# KiCad board Panel2.kicad_pcb (continued)
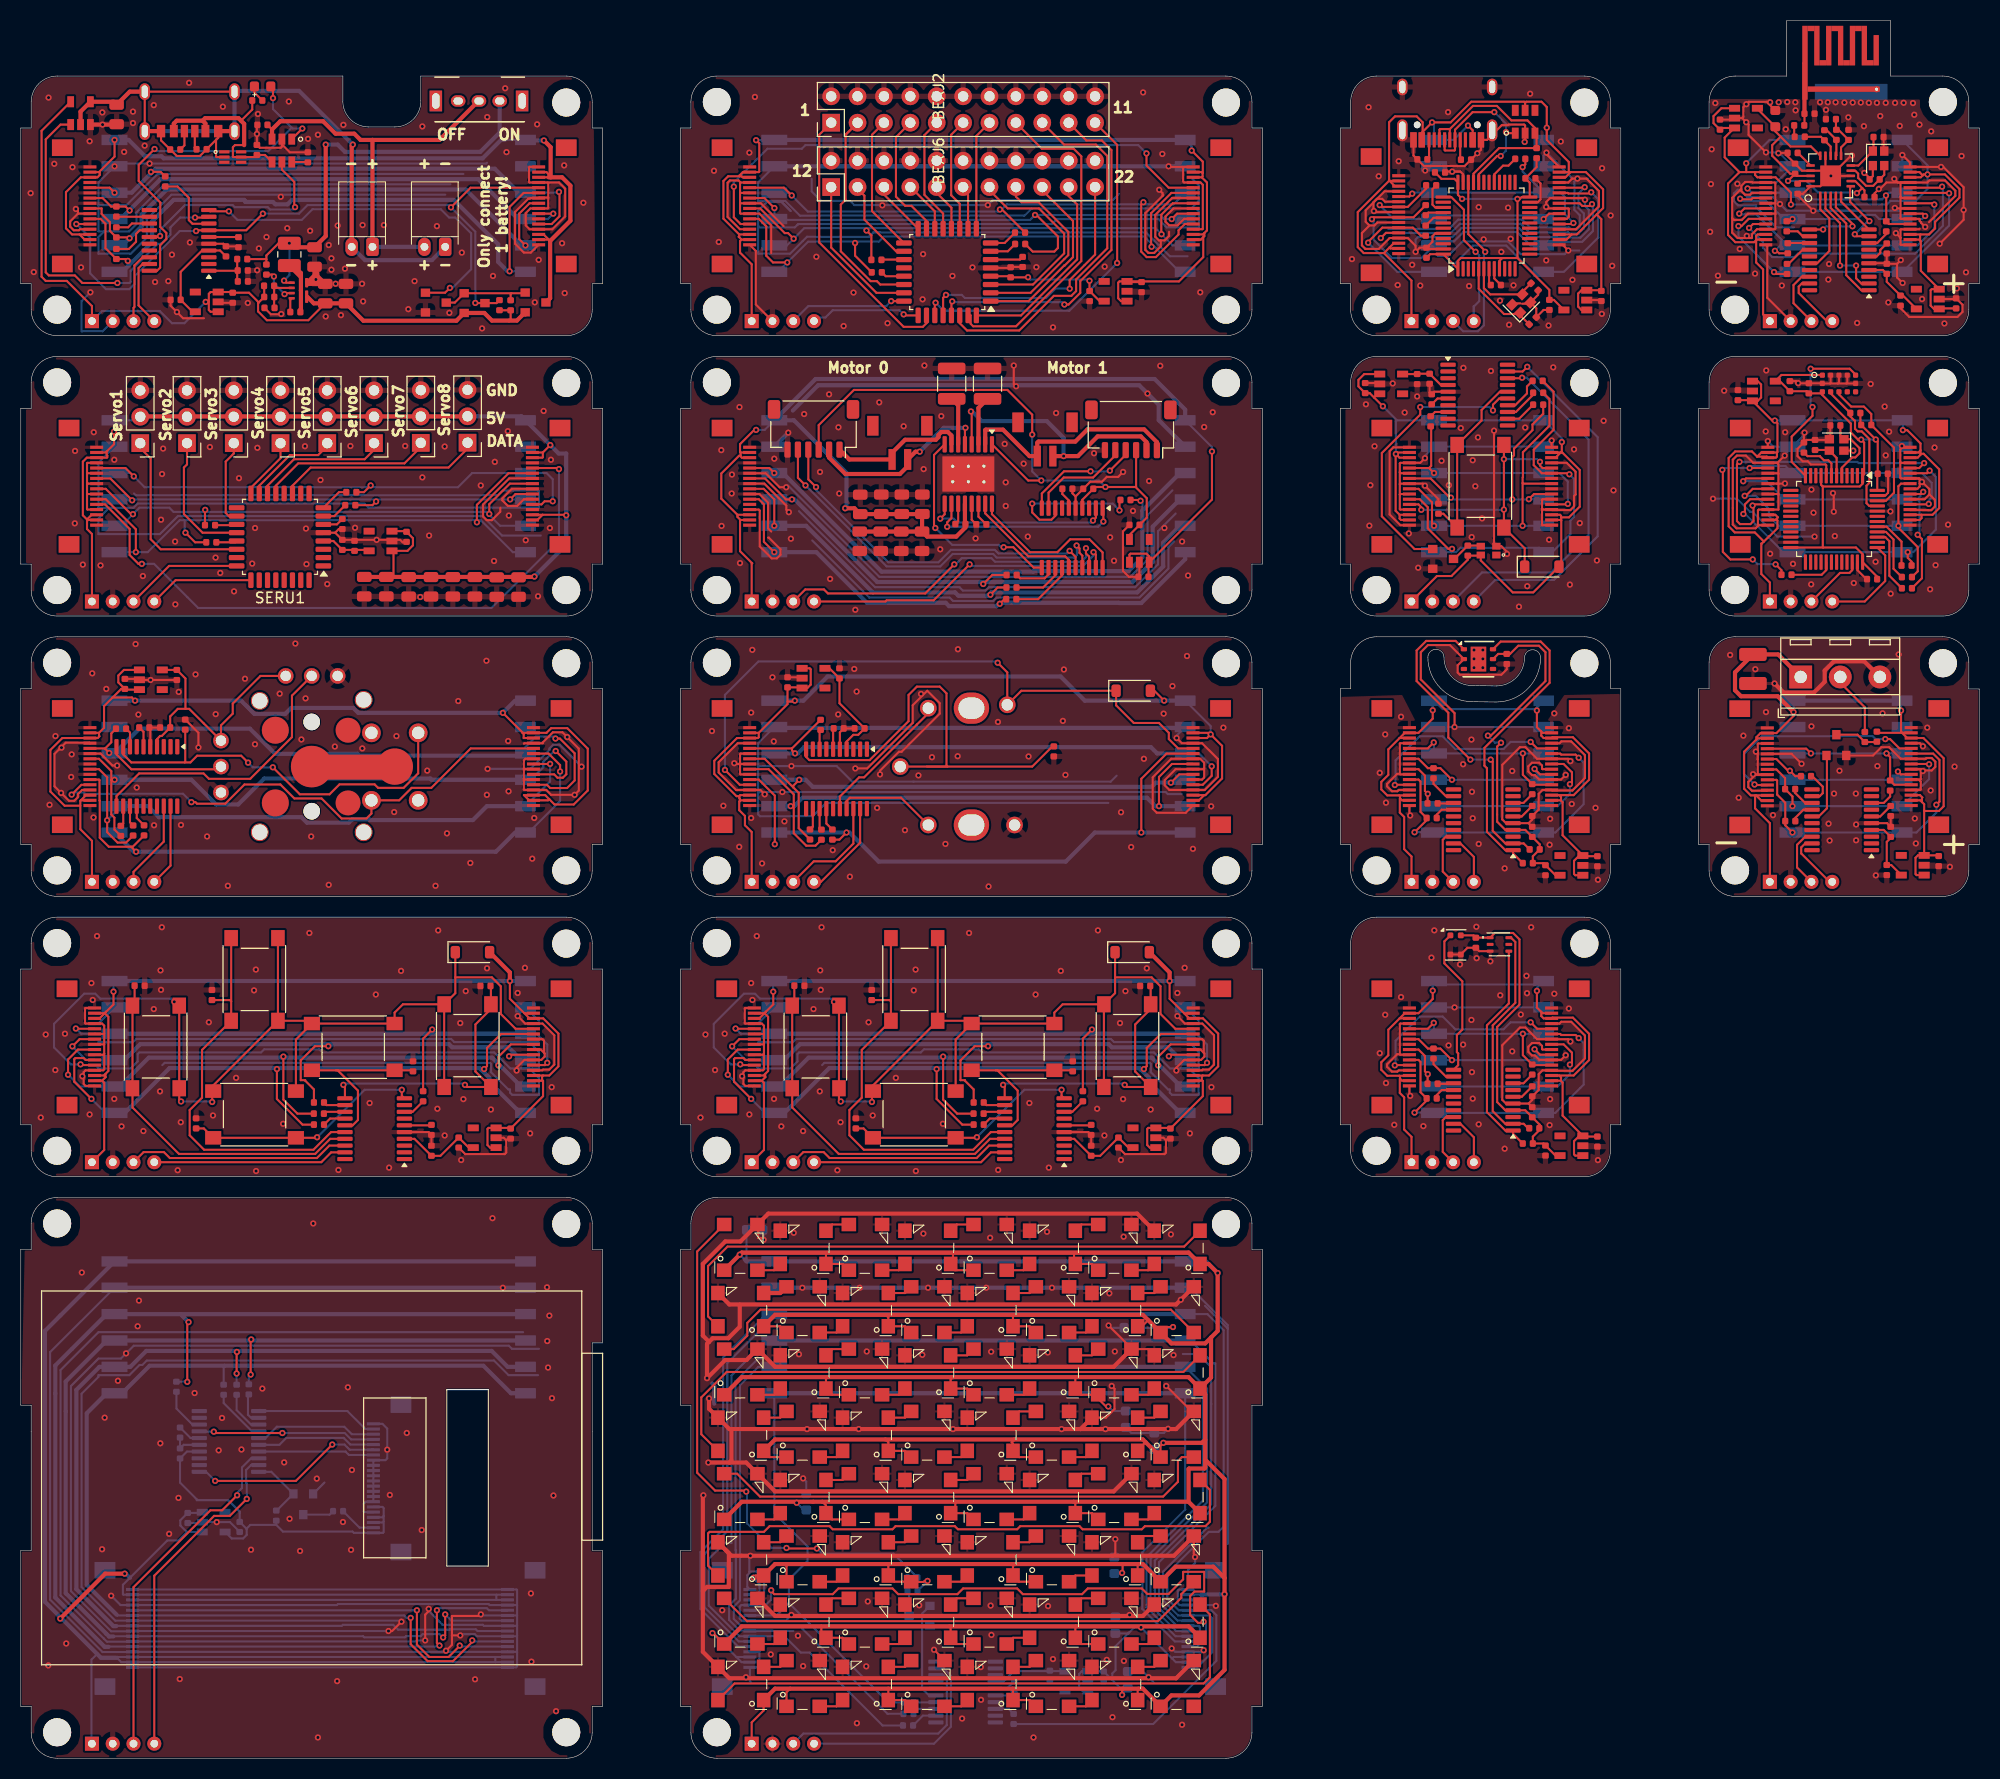
[diagram p0: board, top side]
## Footprints (pads in the part's own frame, mm; a bottom-side part is the same pattern mirrored in y, then rotated) (continued)
USB_C_Receptacle_power_only_6P
  rect 0.7x1.2 smd: A5(0.5,-1.9) B5(-0.5,-1.9)
  rect 0.76x1.2 smd: A9(-1.52,-1.9) B9(1.52,-1.9)
  rect 0.8x1.2 smd: A12(-2.75,-1.9) B12(2.75,-1.9)
  oval 1x1.6 hole 0.6x1.2: S1(-4.32,1.9) S1(4.32,1.9)
  oval 1x1.7 hole 0.6x1.2: S1(-4.32,-1.9) S1(4.32,-1.9)
USBLC6-2P6
  rect 0.3x0.99 smd: 1(-0.5,-0.81) 2(0,-0.81) 3(0.5,-0.81) 4(0.5,0.81) 5(0,0.81) 6(-0.5,0.81)
VL53L3CXV0DH
  rrect 0.5x0.5 smd: 1(1.6,-0.8) 2(0.8,-0.8) 3(0,-0.8) 4(-0.8,-0.8) 5(-1.6,-0.8) 6(-1.6,0) 7(-1.6,0.8) 8(-0.8,0.8) 9(0,0.8) 10(0.8,0.8) 11(1.6,0.8) 12(1.6,0)
WS2812B_1615
  rect 0.8x0.65 smd: 1(-0.75,0.425) 2(0.75,0.425) 3(-0.75,-0.425) 4(0.75,-0.425)

## Nets
BAT_5V: BATJ1.2 BATJ1.3 BATJ1.14 BATJ1.15 BATJ3.2 BATJ3.3 BATJ3.14 BATJ3.15 BATJ6.6 BATJ7.1 BATQ6.3
BAT_/USB_5V: BATC13.1 BATIC1.5 BATJ2.A9 BATJ2.B9 BATR16.1 BATU8.4
BAT_BATTERY_CURRENT: BATU3.9 BATU6.1
BAT_CHRG: BATD2.1 BATU3.20 BATU8.1
BAT_ENABLE_5V: BATQ5.1 BATU3.10
BAT_GND: BATC1.2 BATC2.2 BATC3.2 BATC5.2 BATC8.2 BATC9.2 BATC10.2 BATC11.2 BATC13.2 BATC14.2 BATJ1.1 BATJ1.4 BATJ1.6 BATJ1.8 BATJ1.10 BATJ1.13 BATJ1.16 BATJ3.1 BATJ3.4 BATJ3.6 BATJ3.8 BATJ3.10 BATJ3.13 BATJ3.16 BATJ4.2 BATJ6.5 BATJ7.2 BATQ5.2 BATR10.2 BATR13.2 BATR15.2 BATR17.2 BATU2.2 BATU3.5 BATU5.6 BATU6.3 BATU8.2
BAT_INT_5V: BATC7.1 BATC8.1 BATC10.1 BATC11.1 BATJ4.1 BATQ2.2 BATQ6.2 BATR9.1 BATR19.1 BATR20.1 BATU2.1 BATU2.3 BATU5.7 BATU6.5
BAT_Interrupt5V: BATJ1.12 BATJ3.12 BATQ2.3 BATR20.2 BATU3.7
BAT_MISO: BATJ1.9 BATJ3.9 BATJ6.2 BATJ7.5 BATR4.2
BAT_MOSI: BATJ1.11 BATJ3.11 BATJ6.1 BATJ7.6 BATR2.2
BAT_Net-(D2-A): BATD2.2 BATR16.2
BAT_Net-(J2-CC1): BATJ2.A5 BATR12.1
BAT_Net-(J2-CC2): BATJ2.B5 BATR11.1
BAT_Net-(Q2-G): BATQ2.1 BATQ5.3 BATQ6.1 BATR19.2
BAT_Net-(SW1-B): BATC14.1 BATJ5.1 BATJ8.2 BATSW1.2 BATU8.3
BAT_Net-(U3-NRST): BATC1.1 BATU3.6
BAT_Net-(U3-PA1): BATR1.1 BATU3.8
BAT_Net-(U3-PA5): BATR3.1 BATU3.12
BAT_Net-(U3-PA6): BATR4.1 BATU3.13
BAT_Net-(U3-PA7): BATR2.1 BATU3.14
BAT_Net-(U5-CBST): BATC6.2 BATU5.1
BAT_Net-(U5-EN): BATR18.2 BATU5.2
BAT_Net-(U5-FB): BATC7.2 BATR9.2 BATR10.1 BATU5.3
BAT_Net-(U5-SW): BATC6.1 BATL1.1 BATU5.5
BAT_Net-(U8-PROG): BATR17.1 BATU8.6
BAT_PS: BATJ1.5 BATJ3.5 BATJ6.4 BATJ7.3 BATR1.2
BAT_REAL_GND: BATIC1.2 BATJ2.A12 BATJ2.B12 BATJ2.S1 BATJ5.2 BATJ8.1 BATR11.2 BATR12.2 BATR13.1 BATU6.2 BATU6.4
BAT_SCLK: BATJ1.7 BATJ3.7 BATJ6.3 BATJ7.4 BATR3.2
BAT_STBY: BATU3.15 BATU8.5
BAT_SWDCLK: BATJ4.4 BATU3.19
BAT_SWDIO: BATJ4.3 BATU3.18
BAT_SWITCHED_VBAT: BATC5.1 BATL1.2 BATR14.1 BATR18.1 BATSW1.1 BATU5.4
BAT_unconnected-(IC1-I/O1-Pad1): BATIC1.1
BAT_unconnected-(IC1-I/O1_1-Pad6): BATIC1.6
BAT_unconnected-(IC1-I/O2-Pad3): BATIC1.3
BAT_unconnected-(IC1-I/O2_1-Pad4): BATIC1.4
BAT_unconnected-(SW1-C-Pad3): BATSW1.3
BAT_unconnected-(U2-NC-Pad4): BATU2.4
BAT_unconnected-(U3-PA4-Pad11): BATU3.11
BAT_unconnected-(U3-PA11/PA9-Pad16): BATU3.16
BAT_unconnected-(U3-PA12/PA10-Pad17): BATU3.17
BAT_unconnected-(U3-PC14/PB9-Pad2): BATU3.2
BAT_unconnected-(U3-PC15-Pad3): BATU3.3
BAT_VBAT_REF: BATC3.1 BATR14.2 BATR15.1 BATU3.1
BAT_VDD: BATC2.1 BATC9.1 BATU2.5 BATU3.4
BEX_5V: BEXC8.1 BEXJ1.1 BEXJ3.6 BEXJ4.1 BEXJ5.2 BEXJ5.3 BEXJ5.14 BEXJ5.15 BEXJ7.2 BEXJ7.3 BEXJ7.14 BEXJ7.15 BEXU2.1 BEXU2.3
BEX_GND: BEXC3.2 BEXC4.2 BEXC8.2 BEXC9.2 BEXJ1.2 BEXJ2.2 BEXJ2.4 BEXJ2.6 BEXJ2.8 BEXJ2.10 BEXJ2.12 BEXJ2.14 BEXJ2.16 BEXJ2.18 BEXJ2.20 BEXJ2.22 BEXJ3.5 BEXJ4.2 BEXJ5.1 BEXJ5.4 BEXJ5.6 BEXJ5.8 BEXJ5.10 BEXJ5.13 BEXJ5.16 BEXJ6.2 BEXJ6.4 BEXJ6.6 BEXJ6.8 BEXJ6.10 BEXJ6.12 BEXJ6.14 BEXJ6.16 BEXJ6.18 BEXJ6.20 BEXJ6.22 BEXJ7.1 BEXJ7.4 BEXJ7.6 BEXJ7.8 BEXJ7.10 BEXJ7.13 BEXJ7.16 BEXU1.5 BEXU2.2
BEX_Interrupt5V: BEXJ5.12 BEXJ7.12
BEX_MISO: BEXJ1.5 BEXJ3.2 BEXJ5.9 BEXJ7.9 BEXR6.2
BEX_MOSI: BEXJ1.6 BEXJ3.1 BEXJ5.11 BEXJ7.11 BEXR7.2
BEX_Net-(U1-NRST): BEXC3.1 BEXU1.6
BEX_Net-(U1-PA0): BEXR5.1 BEXU1.7
BEX_Net-(U1-PA1): BEXR8.1 BEXU1.8
BEX_Net-(U1-PA9/NC): BEXR6.1 BEXU1.19
BEX_Net-(U1-PA10/NC): BEXR7.1 BEXU1.21
BEX_P1: BEXJ6.1 BEXU1.23
BEX_P2: BEXJ6.3 BEXU1.18
BEX_P3: BEXJ6.5 BEXU1.16
BEX_P4: BEXJ6.7 BEXU1.14
BEX_P5: BEXJ6.9 BEXU1.12
BEX_P6: BEXJ6.11 BEXU1.10
BEX_P7: BEXJ6.13 BEXU1.3
BEX_P8: BEXJ6.15 BEXU1.2
BEX_P9: BEXJ6.17 BEXU1.1
BEX_P10: BEXJ6.19 BEXU1.32
BEX_P11: BEXJ2.1 BEXU1.26
BEX_P12: BEXJ2.3 BEXU1.22
BEX_P13: BEXJ2.5 BEXU1.17
BEX_P14: BEXJ2.7 BEXU1.15
BEX_P15: BEXJ2.9 BEXU1.13
BEX_P16: BEXJ2.11 BEXU1.11
BEX_P17: BEXJ2.13 BEXU1.9
BEX_P18: BEXJ2.15 BEXU1.31
BEX_P19: BEXJ2.17 BEXU1.30
BEX_P20: BEXJ2.19 BEXU1.29
BEX_P21: BEXJ6.21 BEXU1.28
BEX_P22: BEXJ2.21 BEXU1.27
BEX_PS: BEXJ1.3 BEXJ3.4 BEXJ5.5 BEXJ7.5 BEXR8.2
BEX_SCLK: BEXJ1.4 BEXJ3.3 BEXJ5.7 BEXJ7.7 BEXR5.2
BEX_SWDCLK: BEXJ4.4 BEXU1.25
BEX_SWDIO: BEXJ4.3 BEXU1.24
BEX_unconnected-(U1-PC6-Pad20): BEXU1.20
BEX_unconnected-(U2-NC-Pad4): BEXU2.4
BEX_VDD: BEXC4.1 BEXC9.1 BEXU1.4 BEXU2.5
BLK_5V: BLKC8.1 BLKD2.2 BLKJ1.1 BLKJ2.6 BLKJ3.2 BLKJ3.3 BLKJ3.14 BLKJ3.15 BLKJ4.1 BLKJ5.2 BLKJ5.3 BLKJ5.14 BLKJ5.15 BLKU2.1 BLKU2.3
BLK_GND: BLKC1.2 BLKC2.2 BLKC8.2 BLKC9.2 BLKJ1.2 BLKJ2.5 BLKJ3.1 BLKJ3.4 BLKJ3.6 BLKJ3.8 BLKJ3.10 BLKJ3.13 BLKJ3.16 BLKJ4.2 BLKJ5.1 BLKJ5.4 BLKJ5.6 BLKJ5.8 BLKJ5.10 BLKJ5.13 BLKJ5.16 BLKR5.1 BLKR6.1 BLKR7.1 BLKR8.1 BLKR9.1 BLKU2.2 BLKU3.5
BLK_Interrupt5V: BLKD2.1 BLKJ3.12 BLKJ5.12 BLKSW1.2 BLKSW2.2 BLKSW3.2 BLKSW4.2 BLKSW6.2
BLK_MISO: BLKJ1.5 BLKJ2.2 BLKJ3.9 BLKJ5.9 BLKR4.2
BLK_MOSI: BLKJ1.6 BLKJ2.1 BLKJ3.11 BLKJ5.11 BLKR2.2
BLK_Net-(U3-NRST): BLKC1.1 BLKU3.6
BLK_Net-(U3-PA1): BLKR1.1 BLKU3.8
BLK_Net-(U3-PA5): BLKR3.1 BLKU3.12
BLK_Net-(U3-PA6): BLKR4.1 BLKU3.13
BLK_Net-(U3-PA7): BLKR2.1 BLKU3.14
BLK_PS: BLKJ1.3 BLKJ2.4 BLKJ3.5 BLKJ5.5 BLKR1.2
BLK_SCLK: BLKJ1.4 BLKJ2.3 BLKJ3.7 BLKJ5.7 BLKR3.2
BLK_SW1: BLKR5.2 BLKSW2.1 BLKU3.16
BLK_SW2: BLKR6.2 BLKSW1.1 BLKU3.17
BLK_SW3: BLKR7.2 BLKSW6.1 BLKU3.11
BLK_SW4: BLKR9.2 BLKSW3.1 BLKU3.15
BLK_SW5: BLKR8.2 BLKSW4.1 BLKU3.10
BLK_SWDCLK: BLKJ4.4 BLKU3.19
BLK_SWDIO: BLKJ4.3 BLKU3.18
BLK_unconnected-(U2-NC-Pad4): BLKU2.4
BLK_unconnected-(U3-PA0-Pad7): BLKU3.7
BLK_unconnected-(U3-PA2-Pad9): BLKU3.9
BLK_unconnected-(U3-PB3/PB4/PB5/PB6-Pad20): BLKU3.20
BLK_unconnected-(U3-PB7/PB8-Pad1): BLKU3.1
BLK_unconnected-(U3-PC14/PB9-Pad2): BLKU3.2
BLK_unconnected-(U3-PC15-Pad3): BLKU3.3
BLK_VDD: BLKC2.1 BLKC9.1 BLKU2.5 BLKU3.4
BTS_5V: BTSC8.1 BTSD2.2 BTSJ1.1 BTSJ2.6 BTSJ3.2 BTSJ3.3 BTSJ3.14 BTSJ3.15 BTSJ4.1 BTSJ5.2 BTSJ5.3 BTSJ5.14 BTSJ5.15 BTSU2.1 BTSU2.3
BTS_GND: BTSC1.2 BTSC2.2 BTSC8.2 BTSC9.2 BTSJ1.2 BTSJ2.5 BTSJ3.1 BTSJ3.4 BTSJ3.6 BTSJ3.8 BTSJ3.10 BTSJ3.13 BTSJ3.16 BTSJ4.2 BTSJ5.1 BTSJ5.4 BTSJ5.6 BTSJ5.8 BTSJ5.10 BTSJ5.13 BTSJ5.16 BTSR5.1 BTSR6.1 BTSR7.1 BTSR8.1 BTSR9.1 BTSU2.2 BTSU3.5
BTS_Interrupt5V: BTSD2.1 BTSJ3.12 BTSJ5.12 BTSSW1.2 BTSSW2.2 BTSSW3.2 BTSSW4.2 BTSSW6.2
BTS_MISO: BTSJ1.5 BTSJ2.2 BTSJ3.9 BTSJ5.9 BTSR4.2
BTS_MOSI: BTSJ1.6 BTSJ2.1 BTSJ3.11 BTSJ5.11 BTSR2.2
BTS_Net-(U3-NRST): BTSC1.1 BTSU3.6
BTS_Net-(U3-PA1): BTSR1.1 BTSU3.8
BTS_Net-(U3-PA5): BTSR3.1 BTSU3.12
BTS_Net-(U3-PA6): BTSR4.1 BTSU3.13
BTS_Net-(U3-PA7): BTSR2.1 BTSU3.14
BTS_PS: BTSJ1.3 BTSJ2.4 BTSJ3.5 BTSJ5.5 BTSR1.2
BTS_SCLK: BTSJ1.4 BTSJ2.3 BTSJ3.7 BTSJ5.7 BTSR3.2
BTS_SW1: BTSR5.2 BTSSW2.1 BTSU3.16
BTS_SW2: BTSR6.2 BTSSW1.1 BTSU3.17
BTS_SW3: BTSR7.2 BTSSW6.1 BTSU3.11
BTS_SW4: BTSR9.2 BTSSW3.1 BTSU3.15
BTS_SW5: BTSR8.2 BTSSW4.1 BTSU3.10
BTS_SWDCLK: BTSJ4.4 BTSU3.19
BTS_SWDIO: BTSJ4.3 BTSU3.18
BTS_unconnected-(U2-NC-Pad4): BTSU2.4
BTS_unconnected-(U3-PA0-Pad7): BTSU3.7
BTS_unconnected-(U3-PA2-Pad9): BTSU3.9
BTS_unconnected-(U3-PB3/PB4/PB5/PB6-Pad20): BTSU3.20
BTS_unconnected-(U3-PB7/PB8-Pad1): BTSU3.1
BTS_unconnected-(U3-PC14/PB9-Pad2): BTSU3.2
BTS_unconnected-(U3-PC15-Pad3): BTSU3.3
BTS_VDD: BTSC2.1 BTSC9.1 BTSU2.5 BTSU3.4
BUT_5V: BUTC8.1 BUTD2.2 BUTD3.2 BUTJ1.2 BUTJ1.3 BUTJ1.14 BUTJ1.15 BUTJ2.1 BUTJ3.2 BUTJ3.3 BUTJ3.14 BUTJ3.15 BUTJ4.1 BUTJ5.6 BUTR6.1 BUTU2.1 BUTU2.3
BUT_GND: BUTC1.2 BUTC2.2 BUTC8.2 BUTC9.2 BUTD2.3 BUTJ1.1 BUTJ1.4 BUTJ1.6 BUTJ1.8 BUTJ1.10 BUTJ1.13 BUTJ1.16 BUTJ2.2 BUTJ3.1 BUTJ3.4 BUTJ3.6 BUTJ3.8 BUTJ3.10 BUTJ3.13 BUTJ3.16 BUTJ4.2 BUTJ5.5 BUTQ1.2 BUTR5.1 BUTU2.2 BUTU3.5
BUT_Interrupt5V: BUTD3.1 BUTJ1.12 BUTJ3.12 BUTSW2.2
BUT_LED_DATA: BUTQ1.1 BUTU3.15
BUT_MISO: BUTJ1.9 BUTJ2.5 BUTJ3.9 BUTJ5.2 BUTR4.2
BUT_MOSI: BUTJ1.11 BUTJ2.6 BUTJ3.11 BUTJ5.1 BUTR2.2
BUT_Net-(D2-DIN): BUTD2.4 BUTQ1.3 BUTR6.2
BUT_Net-(U3-NRST): BUTC1.1 BUTU3.6
BUT_Net-(U3-PA1): BUTR1.1 BUTU3.8
BUT_Net-(U3-PA5): BUTR3.1 BUTU3.12
BUT_Net-(U3-PA6): BUTR4.1 BUTU3.13
BUT_Net-(U3-PA7): BUTR2.1 BUTU3.14
BUT_PS: BUTJ1.5 BUTJ2.3 BUTJ3.5 BUTJ5.4 BUTR1.2
BUT_SCLK: BUTJ1.7 BUTJ2.4 BUTJ3.7 BUTJ5.3 BUTR3.2
BUT_SW1: BUTR5.2 BUTSW2.1 BUTU3.16
BUT_SWDCLK: BUTJ4.4 BUTU3.19
BUT_SWDIO: BUTJ4.3 BUTU3.18
BUT_unconnected-(D2-DOUT-Pad1): BUTD2.1
BUT_unconnected-(U2-NC-Pad4): BUTU2.4
BUT_unconnected-(U3-PA0-Pad7): BUTU3.7
BUT_unconnected-(U3-PA2-Pad9): BUTU3.9
BUT_unconnected-(U3-PA3-Pad10): BUTU3.10
BUT_unconnected-(U3-PA4-Pad11): BUTU3.11
BUT_unconnected-(U3-PA12/PA10-Pad17): BUTU3.17
BUT_unconnected-(U3-PB3/PB4/PB5/PB6-Pad20): BUTU3.20
BUT_unconnected-(U3-PB7/PB8-Pad1): BUTU3.1
BUT_unconnected-(U3-PC14/PB9-Pad2): BUTU3.2
BUT_unconnected-(U3-PC15-Pad3): BUTU3.3
BUT_VDD: BUTC2.1 BUTC9.1 BUTU2.5 BUTU3.4
DIA_5V: DIAC8.1 DIAD2.2 DIAJ1.2 DIAJ1.3 DIAJ1.14 DIAJ1.15 DIAJ2.2 DIAJ2.3 DIAJ2.14 DIAJ2.15 DIAJ3.1 DIAJ4.1 DIAJ5.6 DIAU2.1 DIAU2.3
DIA_ENC_A: DIASW7.A DIAU3.17
DIA_ENC_B: DIASW7.B DIAU3.16
DIA_GND: DIAC1.2 DIAC2.2 DIAC8.2 DIAC9.2 DIAJ1.1 DIAJ1.4 DIAJ1.6 DIAJ1.8 DIAJ1.10 DIAJ1.13 DIAJ1.16 DIAJ2.1 DIAJ2.4 DIAJ2.6 DIAJ2.8 DIAJ2.10 DIAJ2.13 DIAJ2.16 DIAJ3.2 DIAJ4.2 DIAJ5.5 DIAR5.1 DIASW7.C DIAU2.2 DIAU3.5
DIA_Interrupt5V: DIAD2.1 DIAJ1.12 DIAJ2.12 DIASW7.S1
DIA_MISO: DIAJ1.9 DIAJ2.9 DIAJ3.5 DIAJ5.2 DIAR4.2
DIA_MOSI: DIAJ1.11 DIAJ2.11 DIAJ3.6 DIAJ5.1 DIAR2.2
DIA_Net-(U3-NRST): DIAC1.1 DIAU3.6
DIA_Net-(U3-PA1): DIAR1.1 DIAU3.8
DIA_Net-(U3-PA5): DIAR3.1 DIAU3.12
DIA_Net-(U3-PA6): DIAR4.1 DIAU3.13
DIA_Net-(U3-PA7): DIAR2.1 DIAU3.14
DIA_PS: DIAJ1.5 DIAJ2.5 DIAJ3.3 DIAJ5.4 DIAR1.2
DIA_SCLK: DIAJ1.7 DIAJ2.7 DIAJ3.4 DIAJ5.3 DIAR3.2
DIA_SW1: DIAR5.2 DIASW7.S2 DIAU3.10
DIA_SWDCLK: DIAJ4.4 DIAU3.19
DIA_SWDIO: DIAJ4.3 DIAU3.18
DIA_unconnected-(U2-NC-Pad4): DIAU2.4
DIA_unconnected-(U3-PA0-Pad7): DIAU3.7
DIA_unconnected-(U3-PA2-Pad9): DIAU3.9
DIA_unconnected-(U3-PA4-Pad11): DIAU3.11
DIA_unconnected-(U3-PB0/PB1/PB2/PA8-Pad15): DIAU3.15
DIA_unconnected-(U3-PB3/PB4/PB5/PB6-Pad20): DIAU3.20
DIA_unconnected-(U3-PB7/PB8-Pad1): DIAU3.1
DIA_unconnected-(U3-PC14/PB9-Pad2): DIAU3.2
DIA_unconnected-(U3-PC15-Pad3): DIAU3.3
DIA_VDD: DIAC2.1 DIAC9.1 DIAU2.5 DIAU3.4
DIS_5V: DISC8.1 DISJ1.1 DISJ2.6 DISJ3.2 DISJ3.3 DISJ3.14 DISJ3.15 DISJ4.1 DISJ5.2 DISJ5.3 DISJ5.14 DISJ5.15 DISU2.1 DISU2.3
DIS_GND: DISC3.2 DISC4.2 DISC5.2 DISC6.1 DISC7.1 DISC8.2 DISC9.2 DISC11.1 DISJ1.2 DISJ2.5 DISJ3.1 DISJ3.4 DISJ3.6 DISJ3.8 DISJ3.10 DISJ3.13 DISJ3.16 DISJ4.2 DISJ5.1 DISJ5.4 DISJ5.6 DISJ5.8 DISJ5.10 DISJ5.13 DISJ5.16 DISU1.2 DISU1.3 DISU1.4 DISU1.6 DISU1.12 DISU2.2 DISU3.8 DISU3.23 DISU3.35 DISU3.44 DISU3.47 DISY1.2 DISY1.4
DIS_Interrupt5V: DISJ3.12 DISJ5.12
DIS_MISO: DISJ1.5 DISJ2.2 DISJ3.9 DISJ5.9 DISR8.2
DIS_MISO_UC: DISR8.1 DISU3.40
DIS_MOSI: DISJ1.6 DISJ2.1 DISJ3.11 DISJ5.11 DISR9.2
DIS_MOSI_UC: DISR9.1 DISU3.41
DIS_Net-(U3-NRST): DISC11.2 DISU3.7
DIS_OSC_IN: DISC6.2 DISU3.5 DISY1.1
DIS_OSC_OUT: DISC7.2 DISU3.6 DISY1.3
DIS_PS: DISJ1.3 DISJ2.4 DISJ3.5 DISJ5.5 DISR10.2
DIS_PS_UC: DISR10.1 DISU3.29
DIS_SCL: DISR6.1 DISU1.10 DISU3.45
DIS_SCLK: DISJ1.4 DISJ2.3 DISJ3.7 DISJ5.7 DISR7.2
DIS_SCLK_UC: DISR7.1 DISU3.39
DIS_SDA: DISR5.1 DISU1.9 DISU3.46
DIS_SWDCLK: DISJ4.4 DISU3.37
DIS_SWDIO: DISJ4.3 DISU3.34
DIS_unconnected-(U1-DNC-Pad8): DISU1.8
DIS_unconnected-(U1-GPIO1-Pad7): DISU1.7
DIS_unconnected-(U2-NC-Pad4): DISU2.4
DIS_unconnected-(U3-PA0-Pad10): DISU3.10
DIS_unconnected-(U3-PA1-Pad11): DISU3.11
DIS_unconnected-(U3-PA3-Pad13): DISU3.13
DIS_unconnected-(U3-PA4-Pad14): DISU3.14
DIS_unconnected-(U3-PA5-Pad15): DISU3.15
DIS_unconnected-(U3-PA6-Pad16): DISU3.16
DIS_unconnected-(U3-PA7-Pad17): DISU3.17
DIS_unconnected-(U3-PA9-Pad30): DISU3.30
DIS_unconnected-(U3-PA10-Pad31): DISU3.31
DIS_unconnected-(U3-PA11-Pad32): DISU3.32
DIS_unconnected-(U3-PA12-Pad33): DISU3.33
DIS_unconnected-(U3-PA15-Pad38): DISU3.38
DIS_unconnected-(U3-PB0-Pad18): DISU3.18
DIS_unconnected-(U3-PB1-Pad19): DISU3.19
DIS_unconnected-(U3-PB2-Pad20): DISU3.20
DIS_unconnected-(U3-PB6-Pad42): DISU3.42
DIS_unconnected-(U3-PB7-Pad43): DISU3.43
DIS_unconnected-(U3-PB10-Pad21): DISU3.21
DIS_unconnected-(U3-PB11-Pad22): DISU3.22
DIS_unconnected-(U3-PB12-Pad25): DISU3.25
DIS_unconnected-(U3-PB13-Pad26): DISU3.26
DIS_unconnected-(U3-PB14-Pad27): DISU3.27
DIS_unconnected-(U3-PB15-Pad28): DISU3.28
DIS_unconnected-(U3-PC13-Pad2): DISU3.2
DIS_unconnected-(U3-PC14-Pad3): DISU3.3
DIS_unconnected-(U3-PC15-Pad4): DISU3.4
DIS_VDD: DISC3.1 DISC4.1 DISC5.1 DISC9.1 DISR5.2 DISR6.2 DISU1.1 DISU1.11 DISU2.5 DISU3.1 DISU3.9 DISU3.24 DISU3.36 DISU3.48
DIS_XSHUT: DISU1.5 DISU3.12
JOY_5V: JOYC8.1 JOYJ1.1 JOYJ2.2 JOYJ2.3 JOYJ2.14 JOYJ2.15 JOYJ3.6 JOYJ4.1 JOYJ5.2 JOYJ5.3 JOYJ5.14 JOYJ5.15 JOYU2.1 JOYU2.3
JOY_BUTTON: JOYR6.2 JOYU1.D JOYU3.9
JOY_GND: JOYC1.2 JOYC2.2 JOYC8.2 JOYC9.2 JOYJ1.2 JOYJ2.1 JOYJ2.4 JOYJ2.6 JOYJ2.8 JOYJ2.10 JOYJ2.13 JOYJ2.16 JOYJ3.5 JOYJ4.2 JOYJ5.1 JOYJ5.4 JOYJ5.6 JOYJ5.8 JOYJ5.10 JOYJ5.13 JOYJ5.16 JOYR6.1 JOYU1.3 JOYU1.6 JOYU2.2 JOYU3.5
JOY_HORIZONTAL: JOYU1.2 JOYU3.11
JOY_Interrupt5V: JOYJ2.12 JOYJ5.12 JOYU1.A
JOY_MISO: JOYJ1.5 JOYJ2.9 JOYJ3.2 JOYJ5.9 JOYR4.2
JOY_MOSI: JOYJ1.6 JOYJ2.11 JOYJ3.1 JOYJ5.11 JOYR2.2
JOY_Net-(U3-NRST): JOYC1.1 JOYU3.6
JOY_Net-(U3-PA1): JOYR1.1 JOYU3.8
JOY_Net-(U3-PA5): JOYR3.1 JOYU3.12
JOY_Net-(U3-PA6): JOYR4.1 JOYU3.13
JOY_Net-(U3-PA7): JOYR2.1 JOYU3.14
JOY_PS: JOYJ1.3 JOYJ2.5 JOYJ3.4 JOYJ5.5 JOYR1.2
JOY_SCLK: JOYJ1.4 JOYJ2.7 JOYJ3.3 JOYJ5.7 JOYR3.2
JOY_SWDCLK: JOYJ4.4 JOYU3.19
JOY_SWDIO: JOYJ4.3 JOYU3.18
JOY_unconnected-(U1-BUTTON2-PadB): JOYU1.B
JOY_unconnected-(U1-BUTTON3-PadC): JOYU1.C
JOY_unconnected-(U2-NC-Pad4): JOYU2.4
JOY_unconnected-(U3-PA0-Pad7): JOYU3.7
JOY_unconnected-(U3-PA11/PA9-Pad16): JOYU3.16
JOY_unconnected-(U3-PA12/PA10-Pad17): JOYU3.17
JOY_unconnected-(U3-PB0/PB1/PB2/PA8-Pad15): JOYU3.15
JOY_unconnected-(U3-PB3/PB4/PB5/PB6-Pad20): JOYU3.20
JOY_unconnected-(U3-PB7/PB8-Pad1): JOYU3.1
JOY_unconnected-(U3-PC14/PB9-Pad2): JOYU3.2
JOY_unconnected-(U3-PC15-Pad3): JOYU3.3
JOY_VDD: JOYC2.1 JOYC9.1 JOYU1.1 JOYU1.4 JOYU2.5 JOYU3.4
JOY_VERTICAL: JOYU1.5 JOYU3.10
LED_5V: LEDC4.1 LEDC8.1 LEDJ1.1 LEDJ2.1 LEDJ3.6 LEDJ4.1 LEDJ5.2 LEDJ5.3 LEDJ5.14 LEDJ5.15 LEDJ7.2 LEDJ7.3 LEDJ7.14 LEDJ7.15 LEDR7.1 LEDU2.1 LEDU2.3
LED_GND: LEDC1.2 LEDC2.2 LEDC4.2 LEDC8.2 LEDC9.2 LEDJ1.2 LEDJ2.3 LEDJ3.5 LEDJ4.2 LEDJ5.1 LEDJ5.4 LEDJ5.6 LEDJ5.8 LEDJ5.10 LEDJ5.13 LEDJ5.16 LEDJ7.1 LEDJ7.4 LEDJ7.6 LEDJ7.8 LEDJ7.10 LEDJ7.13 LEDJ7.16 LEDQ3.2 LEDU2.2 LEDU3.5
LED_Interrupt5V: LEDJ5.12 LEDJ7.12
LED_LED_DATA: LEDQ3.1 LEDU3.15
LED_MISO: LEDJ1.5 LEDJ3.2 LEDJ5.9 LEDJ7.9 LEDR4.2
LED_MOSI: LEDJ1.6 LEDJ3.1 LEDJ5.11 LEDJ7.11 LEDR2.2
LED_Net-(J2-Pin_2): LEDJ2.2 LEDR5.2
LED_Net-(Q3-D): LEDQ3.3 LEDR5.1 LEDR7.2
LED_Net-(U3-NRST): LEDC1.1 LEDU3.6
LED_Net-(U3-PA1): LEDR1.1 LEDU3.8
LED_Net-(U3-PA5): LEDR3.1 LEDU3.12
LED_Net-(U3-PA6): LEDR4.1 LEDU3.13
LED_Net-(U3-PA7): LEDR2.1 LEDU3.14
LED_PS: LEDJ1.3 LEDJ3.4 LEDJ5.5 LEDJ7.5 LEDR1.2
LED_SCLK: LEDJ1.4 LEDJ3.3 LEDJ5.7 LEDJ7.7 LEDR3.2
LED_SWDCLK: LEDJ4.4 LEDU3.19
LED_SWDIO: LEDJ4.3 LEDU3.18
LED_unconnected-(U2-NC-Pad4): LEDU2.4
LED_unconnected-(U3-PA0-Pad7): LEDU3.7
LED_unconnected-(U3-PA2-Pad9): LEDU3.9
LED_unconnected-(U3-PA3-Pad10): LEDU3.10
LED_unconnected-(U3-PA4-Pad11): LEDU3.11
LED_unconnected-(U3-PA11/PA9-Pad16): LEDU3.16
LED_unconnected-(U3-PA12/PA10-Pad17): LEDU3.17
LED_unconnected-(U3-PB3/PB4/PB5/PB6-Pad20): LEDU3.20
LED_unconnected-(U3-PB7/PB8-Pad1): LEDU3.1
LED_unconnected-(U3-PC14/PB9-Pad2): LEDU3.2
LED_unconnected-(U3-PC15-Pad3): LEDU3.3
LED_VDD: LEDC2.1 LEDC9.1 LEDU2.5 LEDU3.4
LIG_5V: LIGC8.1 LIGJ1.1 LIGJ2.6 LIGJ3.2 LIGJ3.3 LIGJ3.14 LIGJ3.15 LIGJ4.1 LIGJ5.2 LIGJ5.3 LIGJ5.14 LIGJ5.15 LIGU2.1 LIGU2.3
LIG_GND: LIGC1.2 LIGC2.2 LIGC3.2 LIGC8.2 LIGC9.2 LIGJ1.2 LIGJ2.5 LIGJ3.1 LIGJ3.4 LIGJ3.6 LIGJ3.8 LIGJ3.10 LIGJ3.13 LIGJ3.16 LIGJ4.2 LIGJ5.1 LIGJ5.4 LIGJ5.6 LIGJ5.8 LIGJ5.10 LIGJ5.13 LIGJ5.16 LIGU1.3 LIGU2.2 LIGU3.5 LIGU4.2 LIGU4.3
LIG_Interrupt5V: LIGJ3.12 LIGJ5.12
LIG_MICROPHONE_ADC: LIGU3.11 LIGU4.1
LIG_MISO: LIGJ1.5 LIGJ2.2 LIGJ3.9 LIGJ5.9 LIGR4.2
LIG_MOSI: LIGJ1.6 LIGJ2.1 LIGJ3.11 LIGJ5.11 LIGR2.2
LIG_Net-(U3-NRST): LIGC1.1 LIGU3.6
LIG_Net-(U3-PA1): LIGR1.1 LIGU3.8
LIG_Net-(U3-PA5): LIGR3.1 LIGU3.12
LIG_Net-(U3-PA6): LIGR4.1 LIGU3.13
LIG_Net-(U3-PA7): LIGR2.1 LIGU3.14
LIG_PS: LIGJ1.3 LIGJ2.4 LIGJ3.5 LIGJ5.5 LIGR1.2
LIG_SCL: LIGR5.1 LIGU1.4 LIGU3.1
LIG_SCLK: LIGJ1.4 LIGJ2.3 LIGJ3.7 LIGJ5.7 LIGR3.2
LIG_SDA: LIGR6.1 LIGU1.6 LIGU3.2
LIG_SWDCLK: LIGJ4.4 LIGU3.19
LIG_SWDIO: LIGJ4.3 LIGU3.18
LIG_unconnected-(U1-INT-Pad5): LIGU1.5
LIG_unconnected-(U1-NC-Pad2): LIGU1.2
LIG_unconnected-(U2-NC-Pad4): LIGU2.4
LIG_unconnected-(U3-PA0-Pad7): LIGU3.7
LIG_unconnected-(U3-PA2-Pad9): LIGU3.9
LIG_unconnected-(U3-PA3-Pad10): LIGU3.10
LIG_unconnected-(U3-PA11/PA9-Pad16): LIGU3.16
LIG_unconnected-(U3-PA12/PA10-Pad17): LIGU3.17
LIG_unconnected-(U3-PB0/PB1/PB2/PA8-Pad15): LIGU3.15
LIG_unconnected-(U3-PB3/PB4/PB5/PB6-Pad20): LIGU3.20
LIG_unconnected-(U3-PC15-Pad3): LIGU3.3
LIG_VDD: LIGC2.1 LIGC3.1 LIGC9.1 LIGR5.2 LIGR6.2 LIGU1.1 LIGU2.5 LIGU3.4 LIGU4.4
MAT_5V: MATC1.1 MATC6.1 MATC7.1 MATC8.1 MATC11.1 MATC12.1 MATC13.1 MATC15.1 MATC16.1 MATD1.1 MATD2.1 MATD3.1 MATD4.1 MATD5.1 MATD6.1 MATD7.1 MATD8.1 MATD9.1 MATD10.1 MATD11.1 MATD12.1 MATD13.1 MATD14.1 MATD15.1 MATD16.1 MATD17.1 MATD18.1 MATD19.1 MATD20.1 MATD21.1 MATD22.1 MATD23.1 MATD24.1 MATD25.1 MATD26.1 MATD27.1 MATD28.1 MATD29.1 MATD30.1 MATD31.1 MATD32.1 MATD33.1 MATD34.1 MATD35.1 MATD36.1 MATD37.1 MATD38.1 MATD39.1 MATD40.1 MATD41.1 MATD42.1 MATD43.1 MATD44.1 MATD45.1 MATD46.1 MATD47.1 MATD48.1 MATD49.1 MATD50.1 MATD51.1 MATD52.1 MATD53.1 MATD54.1 MATD55.1 MATD56.1 MATD57.1 MATD58.1 MATD59.1 MATD60.1 MATD61.1 MATD62.1 MATD63.1 MATD64.1 MATJ1.1 MATJ2.6 MATJ3.1 MATJ4.2 MATJ4.3 MATJ4.14 MATJ4.15 MATJ5.2 MATJ5.3 MATJ5.14 MATJ5.15 MATR2.1 MATU1.1 MATU1.3
MAT_D0: MATD1.4 MATR4.2
MAT_GND: MATC1.2 MATC2.2 MATC3.2 MATC4.2 MATC6.2 MATC7.2 MATC8.2 MATC11.2 MATC12.2 MATC13.2 MATC15.2 MATC16.2 MATD1.3 MATD2.3 MATD3.3 MATD4.3 MATD5.3 MATD6.3 MATD7.3 MATD8.3 MATD9.3 MATD10.3 MATD11.3 MATD12.3 MATD13.3 MATD14.3 MATD15.3 MATD16.3 MATD17.3 MATD18.3 MATD19.3 MATD20.3 MATD21.3 MATD22.3 MATD23.3 MATD24.3 MATD25.3 MATD26.3 MATD27.3 MATD28.3 MATD29.3 MATD30.3 MATD31.3 MATD32.3 MATD33.3 MATD34.3 MATD35.3 MATD36.3 MATD37.3 MATD38.3 MATD39.3 MATD40.3 MATD41.3 MATD42.3 MATD43.3 MATD44.3 MATD45.3 MATD46.3 MATD47.3 MATD48.3 MATD49.3 MATD50.3 MATD51.3 MATD52.3 MATD53.3 MATD54.3 MATD55.3 MATD56.3 MATD57.3 MATD58.3 MATD59.3 MATD60.3 MATD61.3 MATD62.3 MATD63.3 MATD64.3 MATJ1.2 MATJ2.5 MATJ3.2 MATJ4.1 MATJ4.4 MATJ4.6 MATJ4.8 MATJ4.10 MATJ4.13 MATJ4.16 MATJ5.1 MATJ5.4 MATJ5.6 MATJ5.8 MATJ5.10 MATJ5.13 MATJ5.16 MATQ1.2 MATU1.2 MATU2.5
MAT_Interrupt5V: MATJ4.12 MATJ5.12
MAT_LED_DATA: MATQ1.1 MATU2.15
MAT_MISO: MATJ1.5 MATJ2.2 MATJ4.9 MATJ5.9 MATR5.2
MAT_MOSI: MATJ1.6 MATJ2.1 MATJ4.11 MATJ5.11 MATR6.2
MAT_Net-(D1-DOUT): MATD1.2 MATD2.4
MAT_Net-(D2-DOUT): MATD2.2 MATD3.4
MAT_Net-(D3-DOUT): MATD3.2 MATD4.4
MAT_Net-(D4-DOUT): MATD4.2 MATD5.4
MAT_Net-(D5-DOUT): MATD5.2 MATD6.4
MAT_Net-(D6-DOUT): MATD6.2 MATD7.4
MAT_Net-(D7-DOUT): MATD7.2 MATD8.4
MAT_Net-(D8-DOUT): MATD8.2 MATD9.4
MAT_Net-(D10-DIN): MATD9.2 MATD10.4
MAT_Net-(D10-DOUT): MATD10.2 MATD11.4
MAT_Net-(D11-DOUT): MATD11.2 MATD12.4
MAT_Net-(D12-DOUT): MATD12.2 MATD13.4
MAT_Net-(D13-DOUT): MATD13.2 MATD14.4
MAT_Net-(D14-DOUT): MATD14.2 MATD15.4
MAT_Net-(D15-DOUT): MATD15.2 MATD16.4
MAT_Net-(D16-DOUT): MATD16.2 MATD17.4
MAT_Net-(D17-DOUT): MATD17.2 MATD18.4
MAT_Net-(D18-DOUT): MATD18.2 MATD19.4
MAT_Net-(D19-DOUT): MATD19.2 MATD20.4
MAT_Net-(D20-DOUT): MATD20.2 MATD21.4
MAT_Net-(D21-DOUT): MATD21.2 MATD22.4
MAT_Net-(D22-DOUT): MATD22.2 MATD23.4
MAT_Net-(D23-DOUT): MATD23.2 MATD24.4
MAT_Net-(D24-DOUT): MATD24.2 MATD25.4
MAT_Net-(D25-DOUT): MATD25.2 MATD26.4
MAT_Net-(D26-DOUT): MATD26.2 MATD27.4
MAT_Net-(D27-DOUT): MATD27.2 MATD28.4
MAT_Net-(D28-DOUT): MATD28.2 MATD29.4
MAT_Net-(D29-DOUT): MATD29.2 MATD30.4
MAT_Net-(D30-DOUT): MATD30.2 MATD31.4
MAT_Net-(D31-DOUT): MATD31.2 MATD32.4
MAT_Net-(D32-DOUT): MATD32.2 MATD33.4
MAT_Net-(D33-DOUT): MATD33.2 MATD34.4
MAT_Net-(D34-DOUT): MATD34.2 MATD35.4
MAT_Net-(D35-DOUT): MATD35.2 MATD36.4
MAT_Net-(D36-DOUT): MATD36.2 MATD37.4
MAT_Net-(D37-DOUT): MATD37.2 MATD38.4
MAT_Net-(D38-DOUT): MATD38.2 MATD39.4
MAT_Net-(D39-DOUT): MATD39.2 MATD40.4
MAT_Net-(D40-DOUT): MATD40.2 MATD41.4
MAT_Net-(D41-DOUT): MATD41.2 MATD42.4
MAT_Net-(D42-DOUT): MATD42.2 MATD43.4
MAT_Net-(D43-DOUT): MATD43.2 MATD44.4
MAT_Net-(D44-DOUT): MATD44.2 MATD45.4
MAT_Net-(D45-DOUT): MATD45.2 MATD46.4
MAT_Net-(D46-DOUT): MATD46.2 MATD47.4
MAT_Net-(D47-DOUT): MATD47.2 MATD48.4
MAT_Net-(D48-DOUT): MATD48.2 MATD49.4
MAT_Net-(D49-DOUT): MATD49.2 MATD50.4
MAT_Net-(D50-DOUT): MATD50.2 MATD51.4
MAT_Net-(D51-DOUT): MATD51.2 MATD52.4
MAT_Net-(D52-DOUT): MATD52.2 MATD53.4
MAT_Net-(D53-DOUT): MATD53.2 MATD54.4
MAT_Net-(D54-DOUT): MATD54.2 MATD55.4
MAT_Net-(D55-DOUT): MATD55.2 MATD56.4
MAT_Net-(D56-DOUT): MATD56.2 MATD57.4
MAT_Net-(D57-DOUT): MATD57.2 MATD58.4
MAT_Net-(D58-DOUT): MATD58.2 MATD59.4
MAT_Net-(D59-DOUT): MATD59.2 MATD60.4
MAT_Net-(D60-DOUT): MATD60.2 MATD61.4
MAT_Net-(D61-DOUT): MATD61.2 MATD62.4
MAT_Net-(D62-DOUT): MATD62.2 MATD63.4
MAT_Net-(D63-DOUT): MATD63.2 MATD64.4
MAT_Net-(Q1-D): MATQ1.3 MATR2.2 MATR4.1
MAT_Net-(U2-NRST): MATC4.1 MATU2.6
MAT_Net-(U2-PA1): MATR1.1 MATU2.8
MAT_Net-(U2-PA5): MATR3.1 MATU2.12
MAT_Net-(U2-PA6): MATR5.1 MATU2.13
MAT_Net-(U2-PA7): MATR6.1 MATU2.14
MAT_PS: MATJ1.3 MATJ2.4 MATJ4.5 MATJ5.5 MATR1.2
MAT_SCLK: MATJ1.4 MATJ2.3 MATJ4.7 MATJ5.7 MATR3.2
MAT_SWDCLK: MATJ3.4 MATU2.19
MAT_SWDIO: MATJ3.3 MATU2.18
MAT_unconnected-(D64-DOUT-Pad2): MATD64.2
MAT_unconnected-(U1-NC-Pad4): MATU1.4
MAT_unconnected-(U2-PA0-Pad7): MATU2.7
MAT_unconnected-(U2-PA2-Pad9): MATU2.9
MAT_unconnected-(U2-PA3-Pad10): MATU2.10
MAT_unconnected-(U2-PA4-Pad11): MATU2.11
MAT_unconnected-(U2-PA11/PA9-Pad16): MATU2.16
MAT_unconnected-(U2-PA12/PA10-Pad17): MATU2.17
MAT_unconnected-(U2-PB3/PB4/PB5/PB6-Pad20): MATU2.20
MAT_unconnected-(U2-PB7/PB8-Pad1): MATU2.1
MAT_unconnected-(U2-PC14/PB9-Pad2): MATU2.2
MAT_unconnected-(U2-PC15-Pad3): MATU2.3
MAT_VDD: MATC2.1 MATC3.1 MATU1.5 MATU2.4
MOT_5V: MOTC4.1 MOTC5.1 MOTC8.1 MOTC10.1 MOTC11.1 MOTC12.1 MOTC13.1 MOTC14.1 MOTC15.1 MOTC16.1 MOTJ1.2 MOTJ1.3 MOTJ1.14 MOTJ1.15 MOTJ4.1 MOTJ5.1 MOTJ7.6 MOTU1.12 MOTU2.1 MOTU2.3
MOT_ENC1_A: MOTJ6.4 MOTU3.10
MOT_ENC1_B: MOTJ2.4 MOTU3.16
MOT_ENC2_A: MOTJ6.5 MOTU3.9
MOT_ENC2_B: MOTJ2.5 MOTU3.17
MOT_GND: MOTC1.2 MOTC2.2 MOTC4.2 MOTC6.1 MOTC8.2 MOTC9.2 MOTC10.2 MOTC11.2 MOTC12.2 MOTC13.2 MOTC14.2 MOTC15.2 MOTC16.2 MOTJ1.1 MOTJ1.4 MOTJ1.6 MOTJ1.8 MOTJ1.10 MOTJ1.13 MOTJ1.16 MOTJ2.6 MOTJ4.2 MOTJ5.2 MOTJ6.6 MOTJ7.5 MOTR5.1 MOTR6.1 MOTU1.13 MOTU1.17 MOTU2.2 MOTU3.5
MOT_IN1_A: MOTU1.16 MOTU3.20
MOT_IN1_B: MOTU1.9 MOTU3.2
MOT_IN2_A: MOTU1.15 MOTU3.15
MOT_IN2_B: MOTU1.10 MOTU3.1
MOT_Interrupt/CAN: MOTJ1.12
MOT_MISO: MOTJ1.9 MOTJ5.5 MOTJ7.2 MOTR4.2
MOT_MOSI: MOTJ1.11 MOTJ5.6 MOTJ7.1 MOTR2.2
MOT_MTR1_A: MOTJ6.1 MOTJ8.2 MOTU1.2
MOT_MTR1_B: MOTJ2.1 MOTJ9.2 MOTU1.7
MOT_MTR2_A: MOTJ6.2 MOTJ8.1 MOTU1.4
MOT_MTR2_B: MOTJ2.2 MOTJ9.1 MOTU1.5
MOT_Net-(U1-AISEN): MOTR5.2 MOTU1.3
MOT_Net-(U1-BISEN): MOTR6.2 MOTU1.6
MOT_Net-(U1-VCP): MOTC5.2 MOTU1.11
MOT_Net-(U1-VINT): MOTC6.2 MOTU1.14
MOT_Net-(U3-NRST): MOTC1.1 MOTU3.6
MOT_Net-(U3-PA1): MOTR1.1 MOTU3.8
MOT_Net-(U3-PA5): MOTR3.1 MOTU3.12
MOT_Net-(U3-PA6): MOTR4.1 MOTU3.13
MOT_Net-(U3-PA7): MOTR2.1 MOTU3.14
MOT_NFAULT: MOTU1.8 MOTU3.11
MOT_PS: MOTJ1.5 MOTJ5.3 MOTJ7.4 MOTR1.2
MOT_SCLK: MOTJ1.7 MOTJ5.4 MOTJ7.3 MOTR3.2
MOT_SWDCLK: MOTJ4.4 MOTU3.19
MOT_SWDIO: MOTJ4.3 MOTU3.18
MOT_unconnected-(U2-NC-Pad4): MOTU2.4
MOT_unconnected-(U3-PA0-Pad7): MOTU3.7
MOT_unconnected-(U3-PC15-Pad3): MOTU3.3
MOT_VDD: MOTC2.1 MOTC9.1 MOTJ2.3 MOTJ6.3 MOTU1.1 MOTU2.5 MOTU3.4
SCR_5V: SCRC8.1 SCRJ1.1 SCRJ2.6 SCRJ4.1 SCRJ5.2 SCRJ5.3 SCRJ5.14 SCRJ5.15 SCRJ6.2 SCRJ6.3 SCRJ6.14 SCRJ6.15 SCRU2.1 SCRU2.3
SCR_BACKLIGHT: SCRQ2.1 SCRR7.1 SCRU3.20
SCR_CHIP_SELECT: SCRJ3.5 SCRU3.16
SCR_DC: SCRJ3.7 SCRU3.17
SCR_GND: SCRC1.2 SCRC2.2 SCRC8.2 SCRC9.2 SCRJ1.2 SCRJ2.5 SCRJ3.1 SCRJ3.8 SCRJ3.9 SCRJ3.10 SCRJ3.11 SCRJ3.12 SCRJ3.13 SCRJ3.14 SCRJ3.15 SCRJ3.16 SCRJ3.18 SCRJ4.2 SCRJ5.1 SCRJ5.4 SCRJ5.6 SCRJ5.8 SCRJ5.10 SCRJ5.13 SCRJ5.16 SCRJ6.1 SCRJ6.4 SCRJ6.6 SCRJ6.8 SCRJ6.10 SCRJ6.13 SCRJ6.16 SCRQ2.2 SCRU2.2 SCRU3.5
SCR_IM0: SCRU3.2
SCR_IM1: SCRU3.3
SCR_IM2: SCRU3.9
SCR_Interrupt5V: SCRJ5.12 SCRJ6.12
SCR_LEDK: SCRJ3.21 SCRR5.2
SCR_MISO: SCRJ1.5 SCRJ2.2 SCRJ5.9 SCRJ6.9 SCRR4.2
SCR_MOSI: SCRJ1.6 SCRJ2.1 SCRJ5.11 SCRJ6.11 SCRR2.2
SCR_Net-(Q2-D): SCRQ2.3 SCRR5.1
SCR_Net-(U3-NRST): SCRC1.1 SCRU3.6
SCR_Net-(U3-PA1): SCRR1.1 SCRU3.8
SCR_Net-(U3-PA5): SCRR3.1 SCRU3.12
SCR_Net-(U3-PA6): SCRR4.1 SCRU3.13
SCR_Net-(U3-PA7): SCRR2.1 SCRU3.14
SCR_PS: SCRJ1.3 SCRJ2.4 SCRJ5.5 SCRJ6.5 SCRR1.2
SCR_RESET: SCRJ3.3 SCRU3.15